# KiCad board PC110.kicad_pcb (continued)
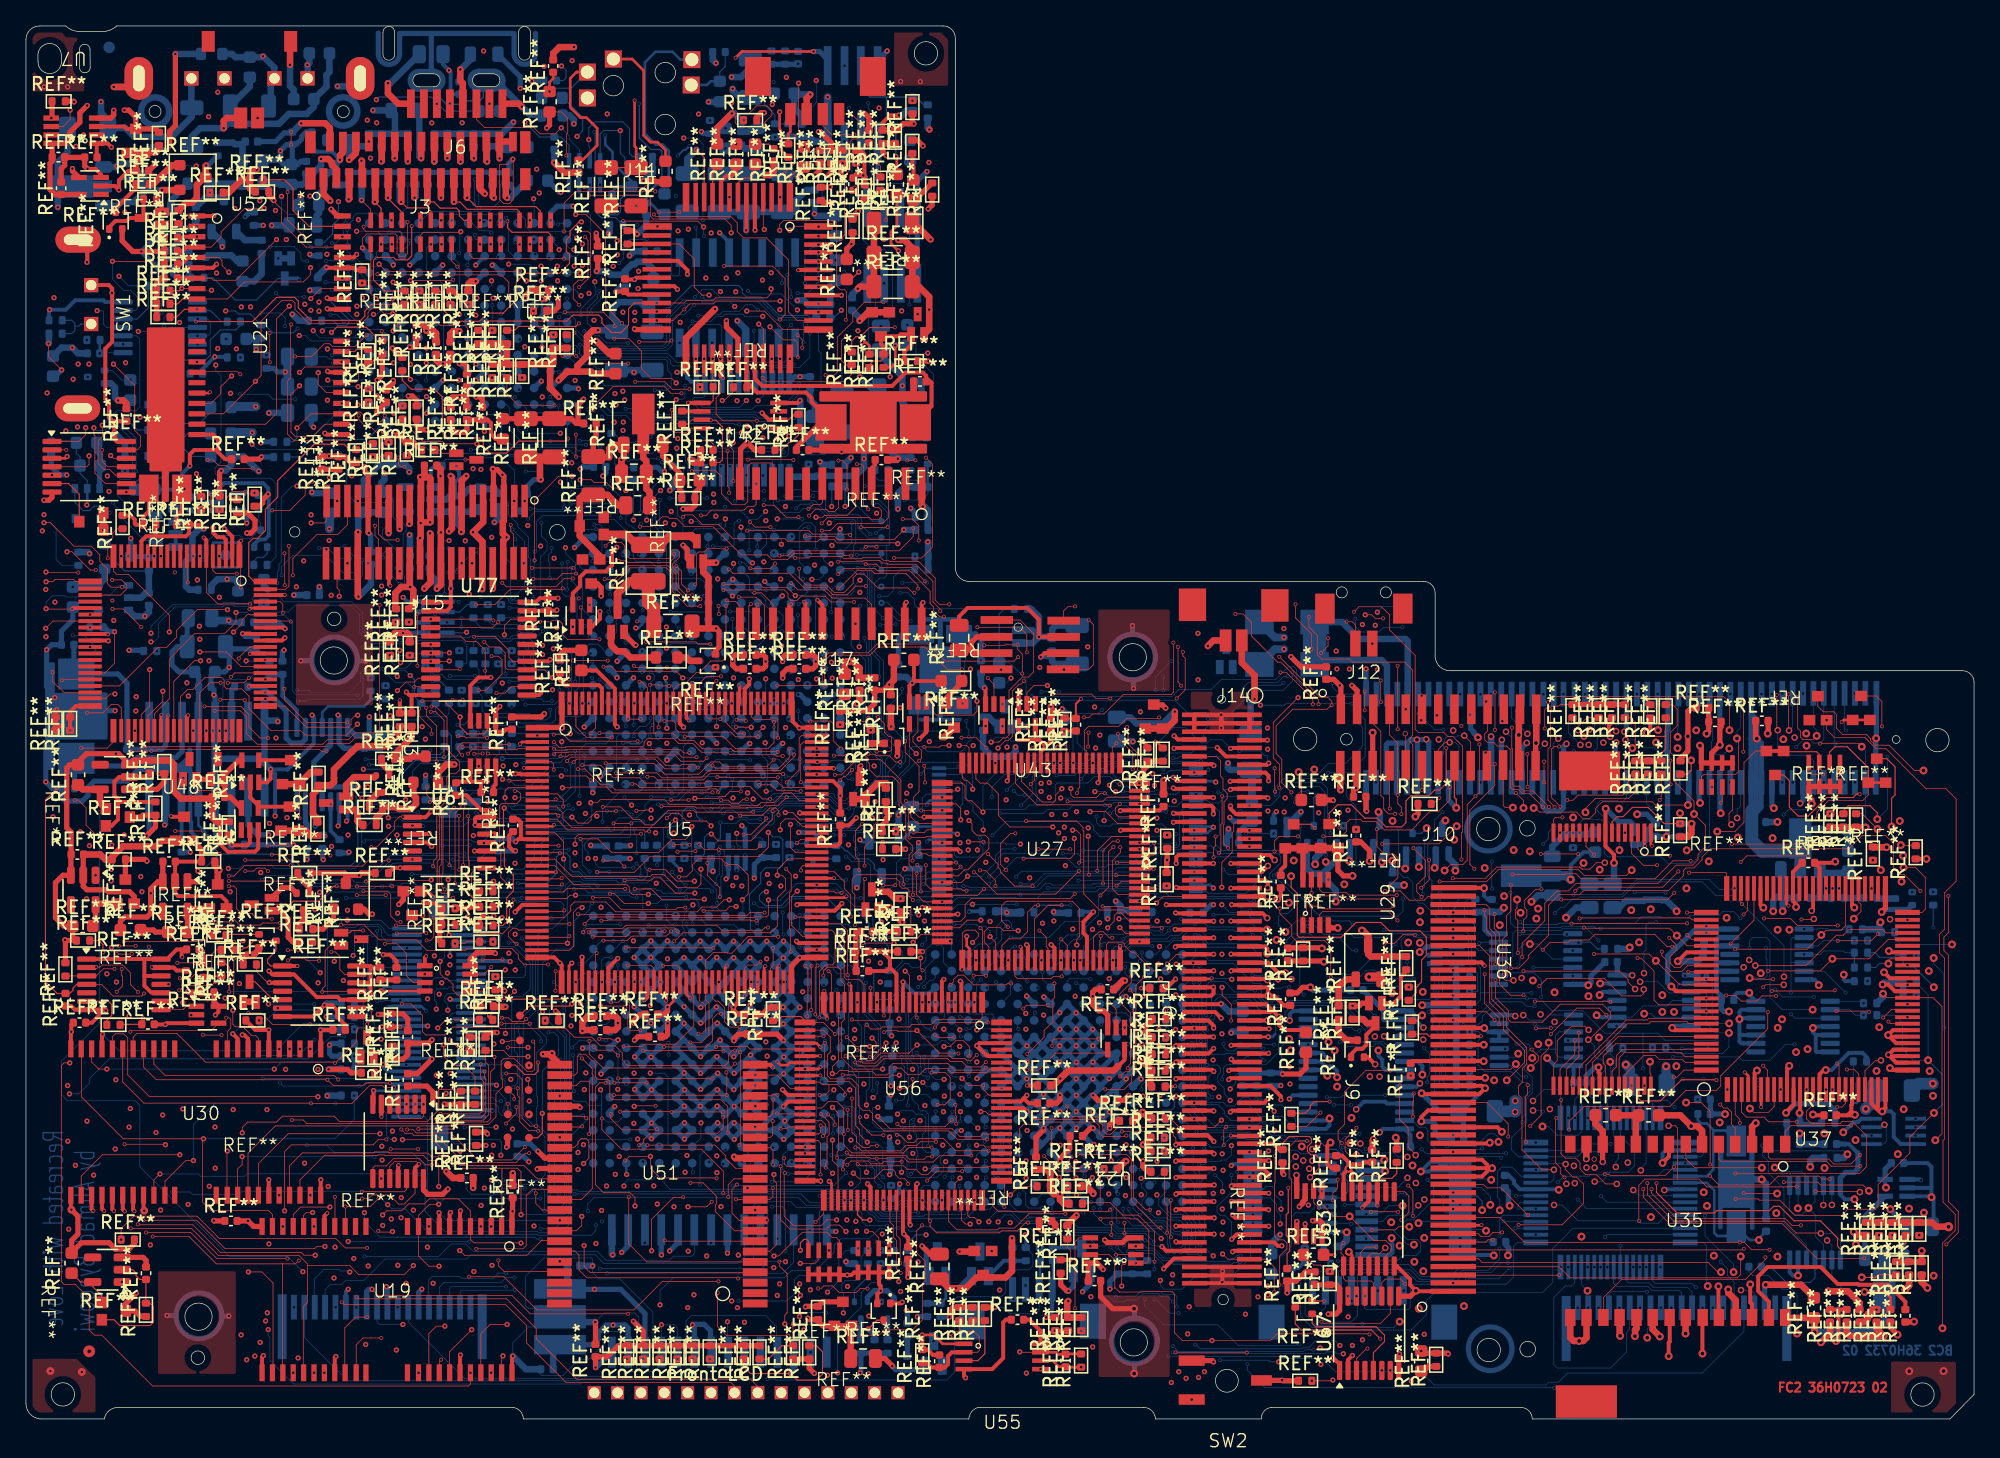
[diagram p0: board, top side]
## Routing (per net, layer and track width the routed paths; a pad name or vN(x,y) marks a point on that pad's centre or on a via; arc(x,y) is an arc through that point) (continued)
  BC2 w0.05: v11(86.31,37.22) 84.78,37.22 v11(84.53,36.97) ; v5(95.62,40.25) 94.86,39.49 v11(93.65,39.49) ; 80.19,33.24 80.19,33.74 80.37,33.92 81.96,33.92 v11(81.99,33.89)
AEN: length 171.5
  FC2 w0.05: v2(70.57,39.85) 69.16,39.85 68.6,40.41 v2(68.6,42.03) ; v2(55.06,48.36) 54.23,48.36 53.84,47.97 53.45,47.97 53.3,47.82 v1(51.52,47.82) ; v2(60.4,53.75) 60.43,53.78 61.98,53.78 62.18,53.58 62.18,52.26 v2(62.78,51.66)
  FC1 w0.05: 56.37,54.22 57.04,54.22 57.17,54.09 57.17,53.59 57.39,53.37 57.88,53.37 58.26,53.75 v2(60.4,53.75) ; 56.37,54.22 56.37,55.14 v2(56.36,55.15) ; 56.37,54.22 55.41,54.22 55.06,53.87 v2(55.06,48.36) ; v1(68.87,22.99) 69.71,23.83 69.71,25.73 70.15,26.17 v1(70.72,26.17) 70.72,27.56 70.29,27.99 70.29,29.02 71.2,29.93 71.2,30.56 71.05,30.71 v2(71.05,32.11) 71.05,32.69 69.57,34.17 69.57,34.51 69.2,34.88 68.21,34.88 67.35,35.74 67.35,37.05 67.12,37.28 67.12,38.54 67.3,38.72 67.93,38.72 68.35,39.14 68.35,39.29 68.91,39.85 v2(70.57,39.85) ; v2(68.6,42.03) 69.64,42.03 71.08,43.47 71.08,44.85 70.28,45.65 69.05,45.65 68.6,46.1 66.1,46.1 64.86,47.34 64.86,47.77 64.66,47.97 64.66,48.23 63.18,49.71 63.18,50.23 62.78,50.63 v2(62.78,51.66)
  IC1 w0.05: v1(68.87,22.99) 68.11,22.23 63.48,22.23 62.97,21.72 62.97,20.87 63.8,20.04 69.46,20.04 70.58,18.92 70.58,18.3 71.12,17.76 82.44,17.76 82.75,17.45 82.75,17.2 85.14,14.81 85.14,14.24 87.32,12.06 94.43,12.06 95.45,11.04 107.28,11.04 v3(107.63,11.39)
  IC3 w0.05: v3(107.63,11.39) 109.49,13.25 132.61,13.25 133.35,12.51 133.41,12.51 134.08,11.84 138.8,11.84 140.4,13.44 v3(140.95,13.44)
  BC1 w0.05: v3(140.95,13.44) 141.55,13.44 142.38,14.27 142.38,19.83 142.15,20.06 v11(142.15,21.84) ; v11(51.86,48.91) 51.52,48.57 v1(51.52,47.82)
  BC2 w0.05: U25.K1 69.53,27.67 69.53,26.69 70.05,26.17 v1(70.72,26.17) ; v11(51.86,48.91) 51.29,48.91
AINPACK#: length 35.9
  FC2 w0.08: REF**#410.2 96.79,21.25 97.31,21.77 98.85,21.77 99.02,21.6 99.02,21.3 98.7,20.98 98.7,20.63 98.97,20.36 99.33,20.36 99.61,20.08 99.61,19.33 v5(98.91,18.63)
  FC2 w0.3: REF**#410.2 96.53,20.76 96.08,21.21 J16.53
  BC1 w0.05: v5(98.91,18.63) 98.34,18.63 98.07,18.36 97.58,18.36 97.34,18.6 97.34,19.6 97.08,19.86 97.08,21.57 97,21.65 97,23.03 98.08,24.11 98.08,27.52 97.68,27.92 97.06,27.92 v11(96.13,28.85) ; v11(93.59,28.86) 93.59,30.42 92.48,31.53 91.79,31.53 91.53,31.79 90,31.79 89.93,31.86 89.25,31.86 89.09,31.7 86.76,31.7 v11(86.54,31.48)
  BC2 w0.05: v11(93.59,28.86) 96.12,28.86 v11(96.13,28.85) ; v11(86.54,31.48) 86.54,32
AOE#: length 44.5
  FC2 w0.3: J16.18 95.79,43.46 v5(96.18,43.07)
  IC4 w0.05: v5(96.18,43.07) 96.18,44.33 95.48,45.03 95.48,45.64 94.87,46.25 94.87,47.29 95.03,47.45 95.9,47.45 96.23,47.78 96.23,48.13 96.04,48.32 95.44,48.32 94.83,48.93 94.83,51.97 94.33,52.47 91.46,52.47 90.62,53.31 84.57,53.31 81.4,50.14 81.4,43.05 79.79,41.44 79.79,39 v1(79.17,38.38)
  BC1 w0.05: v11(78.99,35.95) 79.18,35.95 79.37,36.14 79.37,37.35 79.17,37.55 v1(79.17,38.38)
  BC2 w0.05: v11(78.99,35.95) 78.99,35.88 78.92,35.81
ARDY_BSY#: length 24.7
  FC2 w0.1: v2(87.85,31.56) 87.77,31.48 REF**#3.2
  FC2 w0.3: v1(92.83,34.53) 92.86,34.56 J16.32
  FC1 w0.05: v1(92.83,34.53) 93.35,34.53 93.59,34.29 93.59,33.75 93.28,33.44 92.62,33.44 92.37,33.69 91.04,33.69 88.91,31.56 v2(87.85,31.56)
  BC1 w0.05: v11(86.43,35.12) 86.11,34.8 85.21,34.8 84.64,34.23 84.4,34.23 84.15,33.98 84.15,33.25 83.92,33.02 83.92,32.56 v11(83.3,31.94) ; v1(92.83,34.53) 92.18,35.18 90.88,35.18 90.83,35.23 89.99,35.23 89.72,35.5 87.84,35.5 87.62,35.72 86.19,35.72 v11(85.96,35.95)
  BC2 w0.05: v11(85.96,35.95) 85.96,35.59 v11(86.43,35.12) ; 82.73,32 83.24,32 v11(83.3,31.94)
AREG#: length 48
  FC2 w0.3: v1(95.73,19.91) J16.55
  IC2 w0.05: v1(84.74,23.58) 84.74,23.07 85.66,22.15 93.79,22.15 94.66,21.28 94.66,20.34 95.09,19.91 v1(95.73,19.91)
  BC1 w0.05: v1(84.74,23.58) 84.03,24.29 79.23,24.29 78.85,24.67 78.85,28.86 77.08,30.63 76.45,30.63 76.1,30.28 76.1,24.96 75.74,24.6 75.45,24.6 75.26,24.79 75.26,25.28 75.38,25.4 75.38,31.33 73.75,32.96 73.75,33.42 74.02,33.69 74.02,34.74 v11(73.62,35.14)
  BC2 w0.05: v11(73.62,35.14) 73.17,35.14 72.57,34.54
ARESET: length 17.5
  FC2 w0.3: v1(92.77,23.65) 92.88,23.76 J16.49
  IC4 w0.05: v1(92.77,23.65) 92.4,23.65 91.82,24.23 91.1,24.23 90.21,25.12 90.21,29.39 89.58,30.02 v1(88.55,30.02) 89.17,30.64 89.17,34.48 v1(88.6,35.05)
  BC2 w0.05: v1(88.6,35.05) 88.88,35.05 89.08,35.25 89.08,35.78
AVPP_EN0: length 51.5
  BC1 w0.05: v11(106.93,33.91) 106.93,33.62 106.85,33.54 106.85,30.37 107.15,30.07 v11(107.15,29.72) ; v11(94.69,40.35) 94.82,40.35 94.92,40.25 94.92,39.87 95.31,39.48 96.05,39.48 96.79,38.74 97.14,38.74 97.46,38.42 97.46,35.16 98.31,34.31 v11(100.54,34.31)
  BC2 w0.05: REF**#853.4 107.1,29.5 107.15,29.55 v11(107.15,29.72) ; v11(94.69,40.35) 94.61,40.28 88.05,40.28 87.47,40.85 82.66,40.85 82.43,40.62 78.4,40.62 77.89,40.11 76.31,40.11 76.22,40.2 71.75,40.2 71.01,39.46 71.01,37.22 71.3,36.93 71.3,35.81 ; v11(100.54,34.31) 100.54,34.15 100.72,33.97 102.63,33.97 103.24,34.58 103.95,34.58 104.62,33.91 v11(106.93,33.91)
AVPP_EN1: length 50.1
  BC1 w0.05: v11(90.66,25.31) 90.34,24.99 90.34,23.3 90.14,23.1 87.66,23.1 87.07,22.51 86.01,22.51 85.49,23.03 84.47,23.03 84.35,23.15 78.56,23.15 78.47,23.24 74.87,23.24 74.68,23.43 74.68,24.16 75.01,24.49 75.01,30.05 v11(74.97,30.09) ; v11(90.97,30) 90.89,30 v11(90.47,29.58)
  BC2 w0.05: 75.11,30.73 74.97,30.59 v11(74.97,30.09) ; v11(90.97,30) 90.97,30.25 91.06,30.34 91.06,30.82 91.32,31.08 91.32,32.46 91.58,32.72 94.64,32.72 95.44,31.92 96.93,31.92 97.25,32.24 100.54,32.24 100.7,32.08 101.83,32.08 103.48,30.43 103.62,30.43 103.9,30.15 REF**#853.3 ; v11(90.47,29.58) 90.84,29.21 90.84,27.85 90.74,27.75 90.74,25.89 90.66,25.81 v11(90.66,25.31)
AWAIT#: length 22.5
  FC2 w0.05: v2(92.83,30.7) 92.83,31.97 92.13,32.67 v1(92.13,33.26)
  FC1 w0.05: v2(92.83,30.7) 92.57,30.44 91.91,30.44 91.79,30.56 91.38,30.56 90.12,29.3 ; 90.12,29.3 91.28,28.14 91.68,28.14 92.54,27.28 93.22,27.28 93.74,26.76 93.74,22.96 v2(94.24,22.46) ; 90.12,29.3 87.87,29.3 v2(87.77,29.4)
  BC1 w0.05: v11(89.08,33.98) 89.08,33.45 89.38,33.15 90.72,33.15 91.26,33.69 91.7,33.69 v1(92.13,33.26)
  BC2 w0.05: v11(89.08,33.98) 89.08,34.54
AWE#: length 14.4
  FC2 w0.3: v1(92.82,35.82) 92.83,35.81 J16.30
  BC1 w0.05: v1(92.82,35.82) 92.4,36.24 89.39,36.24 88.8,36.83 87.82,36.83 87.63,37.02 86.82,37.02 86.54,36.74 86.02,36.74 85.24,35.96 85.24,35.61 85.56,35.29 v11(85.81,35.29)
  BC2 w0.05: 82.73,34.54 83.17,34.98 83.68,34.98 83.9,35.2 85.72,35.2 v11(85.81,35.29)
AWP_IOIS16#: length 40
  FC2 w0.2: 87.74,25.61 88.5,25.61 v2(88.53,25.64)
  FC2 w0.3: J16.66 93.02,12.96 v1(92.94,12.88)
  FC1 w0.05: v1(92.21,19.16) 92.21,19.66 91.97,19.9 90.87,19.9 90.42,20.35 90.42,24.78 89.56,25.64 v2(88.53,25.64)
  IC4 w0.05: v1(92.21,19.16) 91.65,18.6 91.46,18.6 90.95,18.09 90.95,13.95 91.27,13.63 91.87,13.63 91.88,13.62 92.2,13.62 v1(92.94,12.88)
  BC1 w0.05: v11(84.88,28.89) 84.88,27.46 85.51,26.83 89.86,26.83 90.35,26.34 91.67,26.34 91.97,26.64 91.97,27.05 92.18,27.26 93.07,27.26 93.23,27.1 93.23,21.49 93.3,21.42 93.3,20.31 92.96,19.97 92.55,19.97 92.21,19.63 v1(92.21,19.16)
  BC2 w0.05: 85.27,29.46 85.27,29.28 v11(84.88,28.89)
B5VDET_BGPI: length 32.6
  FC2 w0.3: v1(91.46,42.81) J16.89
  IC3 w0.05: v1(79.99,44.73) 79.99,44.09 80.56,43.52 90.75,43.52 v1(91.46,42.81)
  BC1 w0.05: v11(73.55,33.86) 73.55,34.62 73.3,34.87 73.3,36.21 73.54,36.45 73.54,37.69 73.14,38.09 73.14,38.75 73.57,39.18 73.57,41.19 v11(74.18,41.8)
  BC2 w0.05: 73.84,31.97 73.84,32 73.23,32.61 73.23,33.54 v11(73.55,33.86) ; v1(79.99,44.73) 78.86,43.6 75.28,43.6 74.92,43.24 74.92,42.54 v11(74.18,41.8)
BALE: length 45.3
  IC2 w0.05: v1(54.46,47.85) 54.46,47.2 54.85,46.81 54.85,46.21 54.19,45.55 54.19,45 55.51,43.68 55.51,43.14 56.67,41.98 56.67,24.16 57.44,23.39 60.01,23.39 60.86,22.54 65.91,22.54 66.09,22.72 66.36,22.72 v1(67.13,23.49)
  BC1 w0.05: v1(54.46,47.85) 54.46,48.61 54.91,49.06 v11(54.91,50.15)
  BC2 w0.05: 70.03,20.54 70.04,20.55 U25.D1 69.35,20.55 69.04,20.86 69.04,21.91 69.31,22.18 69.31,23.22 69.04,23.49 68.56,23.49 68.3,23.75 67.39,23.75 v1(67.13,23.49)
BBVD1_STSCHG#: length 9.2
  FC2 w0.3: v1(88.58,17.32) 88.67,17.41 J16.129
  FC1 w0.05: v2(83.04,19.25) 83.45,18.84 v1(83.45,18.61) 83.99,18.07 87.85,18.07 88.58,17.34 v1(88.58,17.32)
  BC2 w0.05: 82.73,19.3 82.73,18.92 83.04,18.61 v1(83.45,18.61)
BBVD2_SPKR#: length 10.1
  FC2 w0.3: J16.127 88.64,18.66 v1(88.58,18.6)
  FC1 w0.05: v1(88.58,18.6) 88.12,19.06 88.12,20.2 v2(87.68,20.64)
  BC1 w0.05: v11(83.48,18.07) 83.74,18.07 83.84,18.17 84.86,18.17 85.1,17.93 87.69,17.93 88.02,18.26 88.24,18.26 v1(88.58,18.6)
  BC2 w0.05: v11(83.48,18.07) 83.44,18.03 82.73,18.03
BCA0: length 13.8
  FC2 w0.3: v1(91.52,18.03) 91.5,18.01 J16.128
  BC1 w0.05: v1(91.52,18.03) 88.15,18.03 87.81,17.69 85,17.69 84.74,17.95 83.88,17.95 83.69,17.76 83.38,17.76 82.83,18.31 82.83,18.78 82.14,19.47 v11(82.14,19.79)
  BC2 w0.05: v11(82.14,19.79) 81.8,19.79 81.46,20.13 81.46,20.57
BCA1: length 14.8
  FC2 w0.05: v1(91.5,19.3) 91.49,19.31
  FC2 w0.3: 91.49,19.31 J16.126
  BC1 w0.05: 83.35,15.52 83.39,15.48 ; 83.35,15.52 83.41,15.46 87.45,15.46 88.04,16.05 88.04,16.24 88.37,16.57 90.21,16.57 90.52,16.26 v11(90.8,16.26) ; 83.35,15.52 v11(82.73,16.14)
  BC2 w0.05: v11(90.8,16.26) 90.51,16.55 90.51,18.31 v1(91.5,19.3) ; v11(82.73,16.14) 82.73,16.76
BCA2: length 11.9
  FC2 w0.3: v1(91.51,20.43) 91.38,20.56 J16.124
  BC1 w0.05: v11(83.14,20.97) 83.44,20.67 85.37,20.67 85.58,20.88 85.58,21.28 85.95,21.65 88.13,21.65 88.22,21.74 89.51,21.74 90.38,20.87 v11(90.74,20.87)
  BC2 w0.05: v1(91.51,20.43) 91.27,20.43 90.83,20.87 v11(90.74,20.87) ; 82.73,20.54 82.73,20.57 83.13,20.97 v11(83.14,20.97)
BCA3: length 39.6
  FC2 w0.3: J16.122 91.02,21.86 v1(91.5,21.38)
  IC4 w0.05: v1(90.77,3.64) 90.77,18.32 91.02,18.57 91.02,20.9 v1(91.5,21.38)
  BC1 w0.05: v11(84.13,15.15) 84.43,15.15 84.52,15.24 87.62,15.24 88.06,15.68 89.54,15.68 89.95,15.27 89.95,14.41 90.77,13.59 v1(90.77,3.64)
  BC2 w0.05: 84,16.76 84,15.28 v11(84.13,15.15)
BCA4: length 9.2
  FC1 w0.05: v1(84.74,18.6) 85.59,19.45 85.59,21.64 87.06,23.11 v2(89.99,23.11)
  BC2 w0.05: v1(84.74,18.6) 84.74,18.56 85.27,18.03
BCA5: length 7.6
  FC1 w0.05: v2(89.99,24.36) 87.97,24.36 v1(84.74,21.13)
  BC2 w0.05: 84,20.54 84,20.57 84.56,21.13 v1(84.74,21.13)
BCA6: length 60.8
  FC2 w0.05: v2(96.21,20.27) 96.21,18.19 96.16,18.14 96.16,14.08 96.44,13.8 96.87,13.8 97.13,13.54 97.13,13.13 96.54,12.54 v2(96.54,10.33)
  FC2 w0.3: J16.116 91.4,25.61 v1(91.5,25.51)
  FC1 w0.05: v1(96.49,4.4) 96.49,10.28 v2(96.54,10.33) ; v2(96.21,20.27) 96.21,21.02 95.76,21.47 94.62,21.47 93.46,22.63 93.46,24.77 93.23,25 92.47,25 91.96,25.51 v1(91.5,25.51)
  BC1 w0.05: v11(91.98,4.53) 91.98,6.12 90.94,7.16 90.94,13.73 90.12,14.55 90.12,14.92 90.28,15.08 91.64,15.08 91.99,14.73 93.02,14.73 93.75,15.46 93.75,16.6 94.82,17.67 94.82,18.49 94.66,18.65 94.14,18.65 93.89,18.4 93.89,17.87 93.46,17.44 92.83,17.44 91.8,18.47 89.85,18.47 89.3,19.02 88.43,19.02 87.63,18.22 v11(86.92,18.22)
  BC2 w0.05: v1(96.49,4.4) 95.87,4.4 95.84,4.43 95.81,4.43 95.71,4.53 v11(91.98,4.53) ; 86.54,18.03 86.73,18.22 v11(86.92,18.22) ; 86.76,18.22 86.54,18
BCA7: length 13.2
  FC2 w0.3: J16.114 91.36,26.91 v1(91.49,26.78)
  BC1 w0.05: v11(85.26,21.13) 85.26,21.45 85.71,21.9 87.47,21.9 88.01,22.44 90.57,22.44 91.08,22.95 91.08,24.04 91.37,24.33 v11(91.37,24.79)
  BC2 w0.05: v11(85.26,21.13) 85.27,21.12 85.27,20.54 ; v11(91.37,24.79) 91.05,25.11 91.05,26.34 v1(91.49,26.78)
BCA8: length 42.5
  FC2 w0.3: v1(87.84,39.63) 87.86,39.61 J16.94
  IC3 w0.05: v1(87.84,39.63) 87.84,39.66 88.13,39.95 91.79,39.95 v1(92.11,39.63)
  BC1 w0.05: v11(94.28,39.16) 94.28,38.37 95.05,37.6 95.05,35.3 95.15,35.2 95.15,33.69 95.5,33.34 96.43,33.34 97.13,32.64 97.71,32.64 98.06,32.99 98.63,32.99 99.13,32.49 99.13,21.68 v11(99.08,21.63) ; v11(92.18,21.67) 91.94,21.67 91.76,21.85 90.92,21.85 90.8,21.73 90.07,21.73 89.85,21.95 v11(87.92,21.95)
  BC2 w0.05: v11(87.92,21.95) 87.81,21.84 ; v11(92.18,21.67) 92.41,21.67 92.53,21.79 94.02,21.79 94.09,21.72 95.47,21.72 95.59,21.6 96.8,21.6 97.03,21.37 98,21.37 98.08,21.45 98.47,21.45 98.51,21.41 98.86,21.41 v11(99.08,21.63) ; v1(92.11,39.63) 92.7,39.04 93.43,39.04 93.55,39.16 v11(94.28,39.16)
BCA9: length 49.3
  FC2 w0.3: J16.92 88.65,40.91 v1(88.6,40.96)
  IC2 w0.05: v1(88.6,40.96) 79.1,40.96 77.56,39.42 77.56,24.65 77.25,24.34 72.63,24.34 v1(71.98,23.69)
  BC1 w0.05: v11(84.99,22.41) 84.38,21.79 78.1,21.79 77.67,22.22 77.67,22.49 77.48,22.68 74.35,22.68 74.17,22.86 72.44,22.86 72.37,22.93 v11(71.95,22.93)
  BC2 w0.05: v11(84.99,22.41) 84.99,22.83 85.24,23.08 85.27,23.08 ; v11(71.95,22.93) 71.98,22.96 v1(71.98,23.69)
BCA11: length 44
  FC1 w0.05: v2(89.99,42.16) 89.58,41.75 89.58,40.88 88.87,40.17 86.89,40.17 86.56,39.84 86.56,38.94 v1(87.13,38.37)
  BC1 w0.05: v11(97.82,21.67) 98.44,22.29 98.44,31.04 96.39,33.09 95.4,33.09 94.94,33.55 94.94,34.98 94.84,35.08 94.84,36.97 v11(94.5,37.31) ; v1(87.13,38.37) 87.55,38.79 88.13,38.79 88.38,38.54 v11(88.99,38.54)
  BC2 w0.05: v11(97.82,21.67) 97.14,21.67 96.99,21.82 95.98,21.82 95.42,22.38 93.86,22.38 93.74,22.26 90.85,22.26 89.47,23.64 88.34,23.64 87.81,23.11 ; v11(88.99,38.54) 90.43,38.54 91.06,37.91 93.9,37.91 v11(94.5,37.31)
BCA12: length 23.2
  FC2 w0.3: v1(91.48,28.55) 91.09,28.16 J16.112
  IC4 w0.05: v1(92.16,17.52) 92.16,18.15 93.29,19.28 93.29,22.85 93.69,23.25 93.69,26.33 93.26,26.76 93.26,28.12 93.02,28.36 92.61,28.36 92.42,28.55 v1(91.48,28.55)
  BC1 w0.05: v11(91.61,18.79) 91.19,18.79 90.86,19.12 90.86,19.71 90.4,20.17 89,20.17 88.88,20.29 88.34,20.29 87.27,19.22 v11(86.67,19.22)
  BC2 w0.05: 86.54,19.3 86.62,19.22 v11(86.67,19.22) 86.59,19.22 86.54,19.27 ; v1(92.16,17.52) 92.16,18.24 v11(91.61,18.79)
BCA13: length 74.9
  FC2 w0.3: v1(91.48,38.36) J16.96
  IC2 w0.05: v1(91.48,38.36) 90.84,38.36 90.74,38.26 90.74,35.82 91.42,35.14 93.17,35.14 93.47,34.84 95.34,34.84 96.29,33.89 v5(96.45,33.89)
  IC4 w0.05: v5(96.45,33.89) 97.03,33.31 97.99,33.31 98.36,33.69 99.11,33.69 99.5,33.29 99.5,33.29 99.52,33.27 99.52,23.11 100.98,21.65 100.98,21.11 100.74,20.87 100.74,7.65 101.2,7.19 v1(101.2,5.66)
  BC1 w0.05: v11(87.35,21.25) 88.09,21.25 88.41,21.57 89.2,21.57 v11(89.9,20.87) ; v11(90.06,5.73) 90.06,8.29 90.15,8.38 90.15,13.1 v11(90.44,13.39)
  BC2 w0.05: v11(90.06,5.73) 90.13,5.73 90.46,5.4 98.26,5.4 98.39,5.53 98.83,5.53 99.33,6.03 100.83,6.03 v1(101.2,5.66) ; v11(90.44,13.39) 90.76,13.71 90.76,15.35 90.19,15.92 90.19,18.82 89.9,19.11 v11(89.9,20.87) ; v11(87.35,21.25) 87.34,21.25 86.75,21.84 86.54,21.84
BCA14: length 40
  FC2 w0.3: v1(91.48,37.08) 91.46,37.06 J16.98
  IC2 w0.05: v1(91.48,37.08) 92.13,37.08 94.1,35.11 96.97,35.11 98.05,34.03 98.05,22.42 97.41,21.78 97.41,17.14 96.83,16.56 95.32,16.56 92.99,14.23 v1(92.15,14.23)
  BC1 w0.05: v11(90.42,14.64) 91.74,14.64 v1(92.15,14.23)
  BC2 w0.05: v11(90.42,14.64) 90.42,15.24 90.02,15.64 90.02,18.1 89.08,19.04 89.08,19.27
BCA15: length 17.2
  FC2 w0.3: v1(91.47,29.43) 91.44,29.46 J16.110
  BC1 w0.05: v11(90.5,29.14) 90.79,29.43 v1(91.47,29.43) ; v11(91.01,24.68) 91.01,24.29 90.86,24.14 90.86,23.01 90.52,22.67 87.91,22.67 87.33,22.09 85.89,22.09 85.31,22.67 84.64,22.67 84.38,22.41 v11(84.38,22.22)
  BC2 w0.05: v11(91.01,24.68) 90.68,25.01 90.55,25.01 90.37,25.19 90.37,25.52 90.5,25.65 90.5,26.05 90.56,26.11 90.56,27.84 90.66,27.94 90.66,28.58 90.51,28.73 90.51,29.13 v11(90.5,29.14) ; v11(84.38,22.22) 84,21.84
BCA16: length 37.3
  FC2 w0.05: v2(97.42,14.47) 97.48,14.53 97.48,18.48 97.35,18.61 97.35,21 97.77,21.42 v2(98.67,21.42)
  FC2 w0.3: J16.108 91.07,30.71 91.48,30.3 v1(91.48,30.12)
  FC1 w0.05: v1(91.48,30.12) 92.58,30.12 92.66,30.2 94.33,30.2 94.82,29.71 94.82,24.98 95.65,24.15 96.4,24.15 98.63,21.92 98.63,21.46 v2(98.67,21.42) ; v2(97.42,14.47) 97.42,13.31 96.14,12.03 91.98,12.03 91.98,12.04 v1(91.45,12.57)
  BC2 w0.05: v1(91.45,12.57) 90.91,13.11 90.21,13.11 90.1,13.22 90.1,15.11 89.08,16.13 89.08,16.76
BCA17: length 40.9
  FC2 w0.3: v1(88.55,39) 88.59,38.96 J16.95
  IC2 w0.05: v5(99.08,20.8) 98.19,21.69 98.19,34.29 97.6,34.88 97.6,38.75 97.19,39.16 93.95,39.16 93.79,39 v1(88.55,39)
  BC2 w0.05: 89.08,20.54 89.08,21.08 89.23,21.23 90.99,21.23 91.27,20.95 92.06,20.95 92.71,21.6 93.96,21.6 94.02,21.54 95.01,21.54 95.12,21.43 96.56,21.43 97.19,20.8 97.2,20.8 97.29,20.71 97.91,20.71 98.17,20.45 98.73,20.45 v5(99.08,20.8)
BCA18: length 27.3
  FC2 w0.3: v1(88.52,37.72) 88.53,37.71 J16.97
  IC2 w0.05: v1(87.12,19.86) 86.71,20.27 84.38,20.27 82.76,21.89 82.76,34.31 86.17,37.72 v1(88.52,37.72)
  BC2 w0.05: v1(87.12,19.86) 87.12,19.88 87.81,20.57
BCA19: length 29
  FC2 w0.3: J16.99 88.61,36.46 v1(88.53,36.38)
  IC4 w0.05: v1(88.53,36.38) 87.91,35.76 87.91,35.09 86.64,33.82 86.64,30.82 86.81,30.65 86.81,29.75 87.34,29.22 89.24,29.22 89.66,28.8 89.66,22.4 90.21,21.85 91.85,21.85 92.14,21.56 v1(92.14,20.43)
  BC1 w0.05: v11(86.84,20.5) 89.19,20.5 89.3,20.39 90.62,20.39 91.01,20 91.79,20 92.14,20.35 v1(92.14,20.43)
  BC2 w0.05: 86.54,20.54 86.58,20.5 v11(86.84,20.5) 86.61,20.5 86.54,20.57
BCA20: length 61
  FC1 w0.05: v1(86.02,32.56) 86.76,33.3 87.62,33.3 88,33.68 88,34.01 88.16,34.17 88.21,34.17 88.33,34.29 89.05,34.29 v2(89.9,35.14)
  IC4 w0.05: v1(86.02,32.56) 85.43,31.97 85.43,30.03 86.42,29.04 86.42,25.93 86.77,25.58 87.85,25.58 88,25.43 88,24.2 87.8,24 87.8,21.09 88.14,20.75 88.14,14.52 88.37,14.29 88.74,14.29 89.05,13.98 89.05,13.45 88.92,13.32 88.92,10.26 88.64,9.98 88.64,6.46 88.22,6.04 88.22,3.52 89.03,2.71 89.83,2.71 v1(90.32,3.2)
  BC1 w0.05: v11(90.43,12.7) 90.43,4.57 89.97,4.11 89.97,3.55 v1(90.32,3.2)
  BC2 w0.05: 87.81,19.3 87.14,18.63 86.44,18.63 85.94,18.13 85.94,17.86 86.29,17.51 86.29,17.2 85.97,16.88 85.97,16.04 86.7,15.31 87.62,15.31 88.48,14.45 88.88,14.45 89.28,14.05 89.28,12.9 89.48,12.7 v11(90.43,12.7)
BCA21: length 73.9
  FC2 w0.05: v2(102.48,22.44) 102.48,22.42 101.61,21.55 101.61,20.65 101.89,20.37 v5(102.48,20.37)
  FC2 w0.2: v2(91.33,33.96) 91.28,33.91 J16.103
  FC1 w0.05: v2(102.48,22.44) 100.05,22.44 99.27,23.22 99.27,31.31 97.46,33.12 95.01,33.12 93.16,34.97 91.32,34.97 91.06,34.71 91.06,34.23 v2(91.33,33.96)
  IC4 w0.05: v1(101.47,5.02) 101.72,5.27 101.72,6.59 102.51,7.38 102.51,20.34 v5(102.48,20.37)
  BC1 w0.05: v11(88.33,5.13) 87.96,5.5 87.96,7.35 86.61,8.7 86.61,12.61 86.54,12.68 86.54,14.12 86.8,14.38 89.24,14.38 v11(89.48,14.62)
  BC2 w0.05: v1(101.47,5.02) 100.98,5.02 100.83,5.17 100.2,5.17 100.08,5.05 88.41,5.05 v11(88.33,5.13) ; v11(89.48,14.62) 89.48,15.1 89.03,15.55 88.14,15.55 87.25,16.44 87.25,16.95 87.81,17.51 87.81,18.03
BCA22: length 14.2
  FC1 w0.08: v2(89.99,30.11) 89.4,29.52 88.26,29.52 87.77,30.01 v1(87.27,30.01)
  IC2 w0.08: v1(88.57,24.87) 87.86,25.58 87.86,29.42 v1(87.27,30.01)
  BC2 w0.08: 85.27,21.84 85.9,22.47 86.97,22.47 87.23,22.73 87.23,23.44 87.59,23.8 88.23,23.8 88.45,24.02 88.45,24.75 v1(88.57,24.87)
BCA23: length 31.9
  FC2 w0.3: v1(88.56,28.74) 88.63,28.81 J16.111
  IC4 w0.05: v1(88.56,28.74) 89.45,27.85 89.45,14.88 89.95,14.38 89.95,9 v1(89.6,8.65)
  BC1 w0.05: v1(89.6,8.65) 89.6,9.23 89.91,9.54 89.91,13.47 89.79,13.59 v11(89.79,13.93)
  BC2 w0.05: v11(89.79,13.93) 89.79,15.11 89.16,15.74 88.22,15.74 87.81,16.15 87.81,16.76
BCA24: length 33.5
  FC2 w0.3: v1(88.57,27.49) 88.64,27.56 J16.113
  IC2 w0.05: v1(88.57,27.49) 88.13,27.93 88.13,29.93 87.64,30.42 86.5,30.42 86.48,30.41 85.76,30.41 84.07,28.72 84.07,22.73 85.02,21.78 92.13,21.78 v1(92.85,21.06)
  BC1 w0.05: v11(90.36,19.61) 89.63,19.61 89.44,19.42 88.16,19.42 87.65,18.91 86.22,18.91 v11(85.89,19.24)
  BC2 w0.05: v11(85.89,19.24) 85.83,19.3 85.27,19.3 ; v1(92.85,21.06) 92.85,20.35 92.45,19.95 92.08,19.95 91.96,19.83 91,19.83 90.78,19.61 v11(90.36,19.61)
BCA25: length 41.8
  FC2 w0.3: J16.115 88.62,26.26 v1(88.57,26.21)
  IC4 w0.05: v1(89.36,3.13) 89.37,3.14 89.37,4.19 88.9,4.66 88.9,8.68 89.78,9.56 89.78,14.02 89.29,14.51 89.29,25.49 v1(88.57,26.21)
  BC1 w0.05: v1(89.36,3.13) 89.36,5.08 89.08,5.36 89.08,7.17 89.15,7.24 89.15,9.22 89.61,9.68 89.61,13.01 v11(89.6,13.02)
  BC2 w0.05: 86.54,16.76 86.54,15.92 86.97,15.49 87.84,15.49 88,15.33 88.87,15.33 89.13,15.07 89.13,14.51 89.46,14.18 89.46,13.81 89.6,13.67 v11(89.6,13.02)
BCD0: length 12.5
  FC2 w0.3: v1(91.5,16.76) J16.130
  BC1 w0.05: v11(82.05,16.7) 82.65,16.7 83.65,15.7 85.25,15.7 85.69,16.14 86.59,16.14 86.76,16.31 87.23,16.31 87.74,16.82 90.15,16.82 90.23,16.74 v11(90.79,16.74)
  BC2 w0.05: v1(91.5,16.76) 91.48,16.74 v11(90.79,16.74) ; v11(82.05,16.7) 82.01,16.74 U25.A10
BCD1: length 18.3
  FC2 w0.3: v1(91.52,15.49) 91.5,15.51 J16.132
  BC1 w0.05: v11(90.36,19.22) 88.31,19.22 87.61,18.52 86.75,18.52 86.32,18.09 85.48,18.09 85.21,18.36 85.21,18.79 84.73,19.27 83.31,19.27 82.45,20.13 81.92,20.13 81.53,19.74 v11(81.53,18.7)
  BC2 w0.05: v11(81.53,18.7) 81.46,18.77 81.46,19.3 ; v1(91.52,15.49) 91,15.49 90.36,16.13 v11(90.36,19.22)
BCD1#: length 47.4
  FC2 w0.3: v1(88.43,51.68) 88.46,51.71 J16.75
  BC1 w0.05: v11(90.39,34.35) 90.39,33.63 v11(90.38,33.62) ; v11(90.73,30.33) 90.46,30.33 90.13,30 89.96,30 89.2,29.24 v11(89.2,28.74) ; v11(89.65,39) 89.65,37.73 v11(90.07,37.31) ; v11(90.4,34.91) 89.73,34.91 v11(89.52,35.12) ; v1(88.43,51.68) 89.05,51.68 89.4,51.33 89.4,49.54 89.86,49.09 90.72,49.09 91.15,48.65 91.99,48.65 93.02,47.62 94.14,47.62 94.52,47.24 94.52,44.39 95.03,43.88 96.31,43.88 96.55,43.64 97.75,43.64 99.06,42.33 99.06,37.76 v11(98.36,37.06)
  BC2 w0.05: 89.08,28.19 89.2,28.31 v11(89.2,28.74) ; v11(98.36,37.06) 97.87,37.06 96.19,35.38 95.37,35.38 94.39,36.36 91.01,36.36 90.67,36.7 90.67,37.05 90.41,37.31 v11(90.07,37.31) 90.07,35.67 v11(89.52,35.12) ; v11(90.38,33.62) 90.38,32.59 90.58,32.39 90.58,30.97 90.73,30.82 v11(90.73,30.33) ; v11(90.4,34.91) 90.4,34.36 v11(90.39,34.35)
BCD2: length 15.7
  FC2 w0.3: J16.134 91.49,14.26 v1(91.51,14.24)
  IC1 w0.05: v1(91.51,14.24) 87.58,14.24 87.44,14.1 v1(87.44,13.91)
  BC1 w0.05: v11(80.29,17.31) 80.29,16.94 80.99,16.24 v11(82.24,16.24)
  BC2 w0.05: v1(87.44,13.91) 87.44,13.97 86.93,14.48 84.16,14.48 83.69,14.95 83.12,14.95 82.24,15.83 v11(82.24,16.24)
  BC2 w0.2: 80.19,18.03 80.19,18.02 80.29,17.92 v11(80.29,17.31)
BCD2#: length 21.2
  FC2 w0.05: REF**#120.1 76.48,17.92 v1(75.83,17.27)
  FC2 w0.3: v1(87.63,11.57) 88.42,12.36 J16.137
  BC1 w0.05: v11(84.89,12.91) 84.89,13.6 84.27,14.22 82.62,14.22 82.48,14.36 80.53,14.36 v11(79.03,15.86)
  BC2 w0.05: 78.92,16.74 79.03,16.64 v11(79.03,15.86) 79.02,15.87 78.08,15.87 78.04,15.91 76.44,15.91 75.78,16.57 75.78,17.22 v1(75.83,17.27) ; v11(84.89,12.91) 85.32,12.91 85.46,12.77 86.73,12.77 87.63,11.87 v1(87.63,11.57)
BCD3: length 30.8
  FC2 w0.3: v1(88.44,52.64) 88.72,52.36 J16.74
  BC1 w0.05: v11(85.98,29.41) 85.54,29.41 85.06,29.89 85.06,31.48 85.17,31.59 85.17,32.71 85.68,33.22 v11(85.93,33.22) ; v1(88.44,52.64) 87.8,52 86.18,52 85.59,51.41 85.59,49.94 85.47,49.82 85.47,49.45 85.57,49.35 85.57,48.25 85.22,47.9 85.22,41.01 86.06,40.17 86.06,37.38 84.77,36.09 84.77,34.92 v11(84.66,34.81)
  BC2 w0.05: v11(85.98,29.41) 86.03,29.46 86.54,29.46 ; v11(84.66,34.81) 84.66,34.33 85.18,33.81 85.84,33.81 85.93,33.72 v11(85.93,33.22)
BCD4: length 55.9
  FC2 w0.05: J16.76 91.69,51.06 92.01,50.74 92.01,49.55 92.2,49.36 92.2,48.54 92.52,48.22 92.52,47.8 92.28,47.56 92.28,45.81 92.24,45.77 92.24,44.36 v2(92.6,44) ; v2(100.5,34.04) 100.5,36.39 100.02,36.87 97.81,36.87 97.5,37.18 97.5,38.03 96.58,38.95 v2(96.58,39.34)
  FC1 w0.05: v2(96.58,39.34) 96.32,39.6 96.17,39.6 95.99,39.78 95.36,39.78 94.74,40.4 94.74,40.75 94.06,41.43 94.06,42.57 92.63,44 v2(92.6,44) ; v2(100.5,34.04) 100.19,34.04 99.52,33.37 99.52,24.57 100.26,23.83 101.47,23.83 v3(102.1,23.2)
  IC1 w0.05: v1(92.76,24.55) 93.15,24.16 93.73,24.16 94.97,22.92 98.84,22.92 99.66,23.74 101.56,23.74 v3(102.1,23.2)
  BC1 w0.05: v11(90.99,27.28) 90.17,27.28 90.08,27.19 89.52,27.19 88.67,28.04 v11(88.11,28.04)
  BC2 w0.05: v11(88.11,28.04) 87.96,28.04 87.81,28.19 ; v11(90.99,27.28) 91,27.27 91.8,27.27 91.8,27.26 92,27.06 92,26.68 91.8,26.48 91.8,25.98 92.29,25.49 92.29,25.02 v1(92.76,24.55)
BCD5: length 39.6
  FC1 w0.05: v1(86.78,49.72) 88.03,49.72 88.25,49.94 88.56,49.94 88.69,49.81 v2(89.99,49.81)
  BC1 w0.05: v11(84.93,49.7) 84.93,47.53 84.75,47.35 84.75,45.16 83.4,43.81 83.4,42.42 85.41,40.41 85.41,37.4 83.99,35.98 83.73,35.98 82.36,34.61 82.36,33.04 82.59,32.81 82.59,31.12 82.36,30.89 82.17,30.89 81.74,30.46 81.74,29.73 81.93,29.54 82.42,29.54 82.66,29.3 82.66,28.29 84.32,26.63 85.1,26.63 85.39,26.34 85.39,26.06 85.64,25.81 88.81,25.81 89.18,26.18 v11(89.18,26.22)
  BC2 w0.05: v1(86.78,49.72) 86.31,49.72 86.04,49.99 85.71,49.99 85.42,49.7 v11(84.93,49.7) ; 89.08,26.92 89.08,26.32 v11(89.18,26.22)
BCD6: length 38.4
  FC2 w0.3: v1(88.38,48.62) 88.44,48.56 J16.80
  BC1 w0.05: 81.93,41.3 82.11,41.12 ; 81.93,41.3 83.76,39.47 83.76,37.74 83.46,37.44 82.85,37.44 81.82,36.41 81.82,36.12 81.44,35.74 81.44,33.05 81.35,32.96 ; 81.93,41.3 81.93,43.95 83.8,45.82 83.8,47.2 84.49,47.89 v11(84.49,48.36) ; 81.35,32.96 81.35,32.34 ; 81.35,32.96 81.35,29.58 81.6,29.33 81.6,26.14 81.97,25.77 84.02,25.77 84.13,25.66 85.49,25.66 85.75,25.4 v11(85.92,25.4)
  BC2 w0.05: v11(84.49,48.36) 86.92,48.36 87.03,48.47 87.81,48.47 87.95,48.61 88.37,48.61 v1(88.38,48.62) ; v11(85.92,25.4) 85.92,25.71 86.54,26.33 86.54,26.92
